# Altium PCB LimeSDR-PCIe_1v2.PcbDoc (part 5 of 9) (continued)
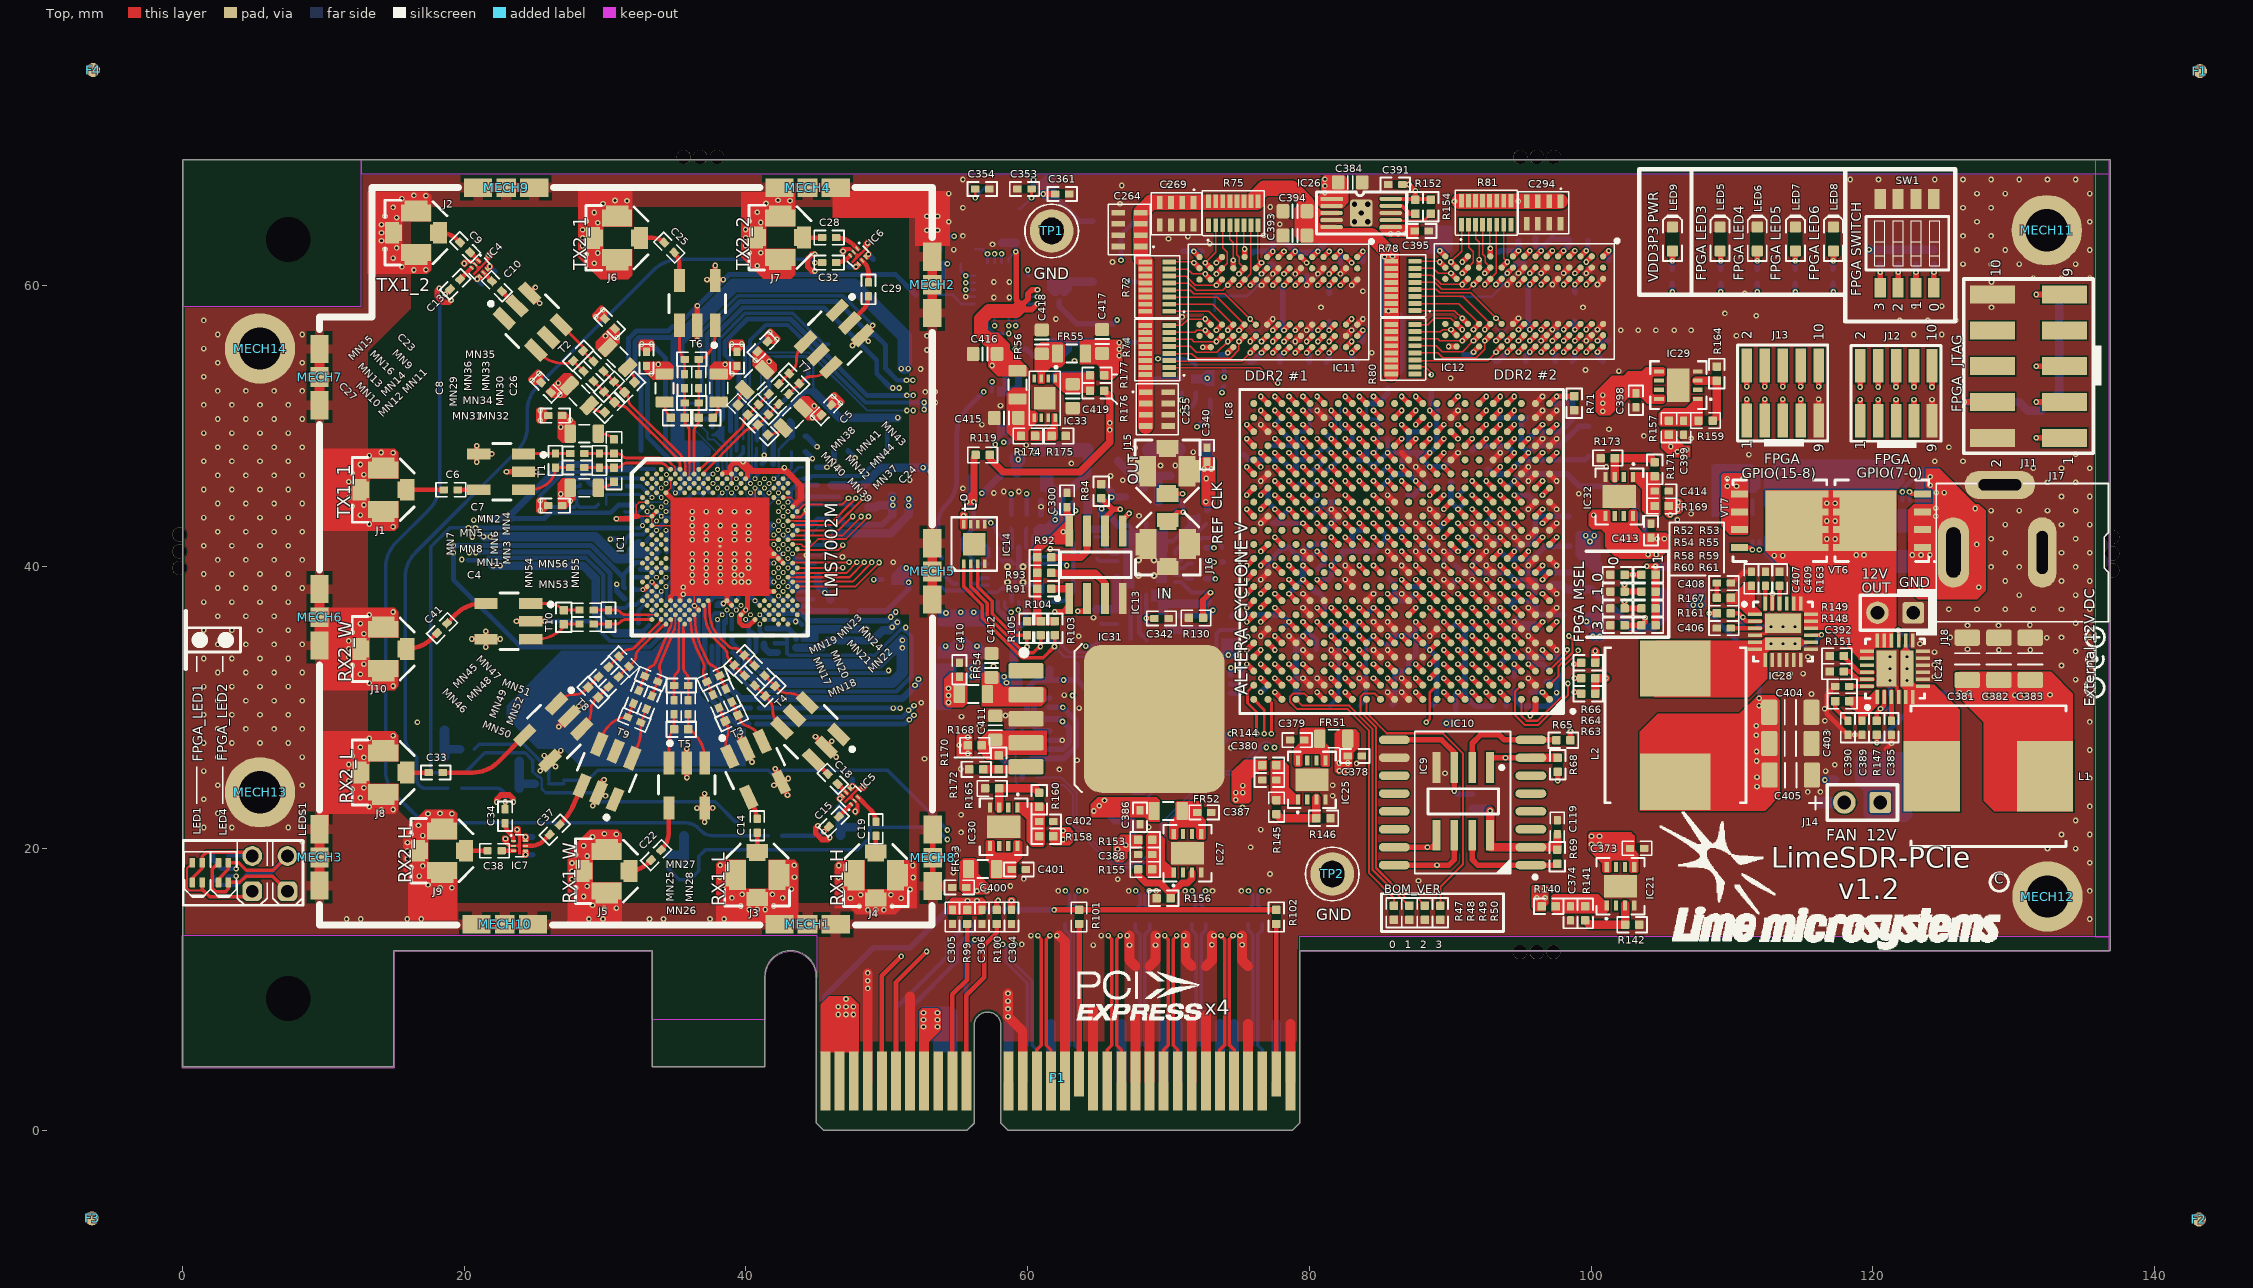
[diagram p0: Top view]
## Nets (pads, with @x,y where several pads share a name; then routed paths per layer and width w, separated by ;. In a path a pad name is that pad's centre, name@x,y a point inside that pad or via, vN(x,y) a via of type N, cw(c..) or ccw(c..) an arc to the next point about the centre after c; other vN are vias at no path point) (continued)
LMS_DIQ2_D5: IC1.K34 IC8.F6 | length 59.2
  Top w0.15: IC1.K34@43.643,43.93 44.145,44.431 46.831,44.431 v1(47.275,44.875)
  Top w0.4: v1(91.55,36.1) IC8.F6@92.05,35.6
  L8 w0.1: v1(47.275,44.875) 47.837,45.438 48.752,45.438 48.964,45.225 51.626,45.225 56.376,40.475 56.7,40.475 57.004,40.475 57.308,40.475 cw(c57.308,40.171) 57.612,40.171 57.612,40.157 ccw(c57.916,40.157) 57.916,39.853 ccw(c57.916,40.157) 58.22,40.157 58.22,40.171 cw(c58.524,40.171) 58.524,40.475 58.775,40.475 59.45,40.475 59.754,40.475 60.058,40.475 cw(c60.058,40.171) 60.362,40.171 60.362,40.016 ccw(c60.666,40.016) 60.666,39.712 ccw(c60.666,40.016) 60.97,40.016 60.97,40.171 cw(c61.274,40.171) 61.274,40.475 cw(c61.274,40.171) 61.578,40.171 61.578,40.016 ccw(c61.882,40.016) 61.882,39.712 ccw(c61.882,40.016) 62.186,40.016 62.186,40.171 cw(c62.49,40.171) 62.49,40.475 62.794,40.475 63.325,40.475 63.65,40.475 63.954,40.475 64.258,40.475 cw(c64.258,40.171) 64.562,40.171 64.562,40.016 ccw(c64.866,40.016) 64.866,39.712 ccw(c64.866,40.016) 65.17,40.016 65.17,40.171 cw(c65.474,40.171) 65.474,40.475 67.309,40.475 67.709,40.875 73.375,40.875 73.8,40.45 77.405,40.45 90.725,40.45 90.9,40.275 90.9,36.75 v1(91.55,36.1)
LMS_DIQ2_D6: IC1.M30 IC8.C6 | length 59.2
  Top w0.4: v1(91.55,33.1) IC8.C6@92.05,32.6
  L8 w0.1: v2(42.311,43.264) 46.714,43.264 47.4,43.95 48.825,43.95 49.6,43.175 51.675,43.175 57.925,36.925 58.377,36.925 58.752,37.3 59.525,37.3 59.925,37.3 60.325,37.3 cw(c60.325,36.9) 60.725,36.9 60.725,36.675 ccw(c61.125,36.675) 61.125,36.275 ccw(c61.125,36.675) 61.525,36.675 61.525,36.9 cw(c61.925,36.9) 61.925,37.3 cw(c61.925,36.9) 62.325,36.9 62.325,36.798 ccw(c62.725,36.798) 62.725,36.398 ccw(c62.725,36.798) 63.125,36.798 63.125,36.9 cw(c63.525,36.9) 63.525,37.3 63.925,37.3 65.55,37.3 65.95,36.9 68.775,36.9 69.35,36.325 74.1,36.325 74.75,36.975 74.75,37.4 75.1,37.75 84.4,37.75 88.4,33.75 89.625,33.75 89.975,33.4 90.225,33.4 90.575,33.75 90.9,33.75 v1(91.55,33.1)
LMS_DIQ2_D7: IC1.M32 IC8.D4 | length 59.1
  Top w0.11: IC1.M32@42.977,43.264 43.481,43.264
  Top w0.15: 43.481,43.264 46.189,43.264 47.425,44.5 47.43,44.5 47.65,44.72 47.65,44.725 v1(47.8,44.875)
  Top w0.4: v1(93.55,34.1) IC8.D4@94.05,33.6
  L8 w0.1: v1(47.8,44.875) 48.162,45.238 48.669,45.238 49.931,43.975 52.208,43.975 56.67,39.512 62.825,39.512 ccw(c62.825,39.816) 63.129,39.816 63.129,39.971 cw(c63.433,39.971) 63.433,40.275 cw(c63.433,39.971) 63.737,39.971 63.737,39.816 ccw(c64.041,39.816) 64.041,39.512 64.925,39.512 67.112,39.512 67.65,40.05 69.116,40.05 69.541,40.475 72.58,40.475 73.305,39.75 88.395,39.75 89.9,38.245 89.9,37.245 93.045,34.1 v1(93.55,34.1)
LMS_DIQ2_D8: IC1.N31 IC8.A5 | length 59
  Top w0.4: v1(92.55,31.1) IC8.A5@93.05,30.6
  L8 w0.1: v2(42.644,42.931) 48.244,42.931 48.5,42.675 51.517,42.675 58.342,35.85 63.695,35.85 66.5,35.85 69.725,35.85 70.5,35.075 70.8,35.075 ccw(c70.8,35.379) 71.104,35.379 71.104,35.453 cw(c71.408,35.453) 71.408,35.757 cw(c71.408,35.453) 71.712,35.453 71.712,35.379 ccw(c72.016,35.379) 72.016,35.075 ccw(c72.016,35.379) 72.32,35.379 72.32,35.453 cw(c72.624,35.453) 72.624,35.757 cw(c72.624,35.453) 72.928,35.453 72.928,35.379 ccw(c73.232,35.379) 73.232,35.075 73.975,35.075 74.342,35.075 74.775,35.508 74.775,36.3 75.225,36.75 83.395,36.75 88.495,31.65 92,31.65 v1(92.55,31.1)
LMS_DIQ2_D9: IC1.N33 IC8.D5 | length 59.2
  Top w0.15: IC1.N33@43.31,42.931 43.31,42.973 46.428,42.973 v1@48.28,44.825
  Top w0.4: v1(92.55,34.1) IC8.D5@93.05,33.6
  L8 w0.1: v1(48.305,44.875) 48.749,44.875 49.849,43.775 52.125,43.775 56.588,39.312 59.95,39.312 60.254,39.312 60.558,39.312 cw(c60.558,39.008) 60.862,39.008 60.862,38.916 ccw(c61.166,38.916) 61.166,38.612 ccw(c61.166,38.916) 61.47,38.916 61.47,39.008 cw(c61.774,39.008) 61.774,39.312 cw(c61.774,39.008) 62.078,39.008 62.078,38.916 ccw(c62.382,38.916) 62.382,38.612 ccw(c62.382,38.916) 62.686,38.916 62.686,39.008 cw(c62.99,39.008) 62.99,39.312 cw(c62.99,39.008) 63.294,39.008 63.294,38.916 ccw(c63.598,38.916) 63.598,38.612 ccw(c63.598,38.916) 63.902,38.916 63.902,39.008 cw(c64.206,39.008) 64.206,39.312 65.4,39.312 67.195,39.312 67.733,39.85 69.199,39.85 69.624,40.275 72.497,40.275 73.222,39.55 87.595,39.55 89.2,37.945 89.2,36.95 92.05,34.1 v1(92.55,34.1)
LMS_DIQ2_D10: IC1.P30 IC8.B4 | length 59
  Top w0.4: v1(93.55,32.1) IC8.B4@94.05,31.6
  L9 w0.1: v2(42.311,42.598) 42.303,42.59 41.843,42.59 41.653,42.399 41.653,41.57 41.874,41.349 41.876,41.349 42.061,41.164 42.061,41.162 42.207,41.016 42.209,41.016 42.394,40.831 42.394,40.829 42.54,40.683 42.542,40.683 42.727,40.498 42.727,40.496 42.948,40.275 45.925,40.275 46.7,39.5 53.15,39.5 ccw(c53.15,39.804) 53.454,39.804 53.454,39.888 cw(c53.758,39.888) 53.758,40.192 cw(c53.758,39.888) 54.062,39.888 54.062,39.804 ccw(c54.366,39.804) 54.366,39.5 56.225,39.5 61.825,39.5 62.4,38.925 72.767,38.925 73.142,38.55 77.525,38.55 79.575,36.5 86.645,36.5 90.695,32.45 93.2,32.45 v1(93.55,32.1)
LMS_DIQ2_D11: IC1.P32 IC8.A6 | length 58.7
  Top w0.4: v1(91.55,31.1) IC8.A6@92.05,30.6
  L8 w0.1: v2(42.977,42.598) 43.218,42.356 51.553,42.356 58.259,35.65 64.133,35.65 64.858,34.925 65.25,34.925 65.975,35.65 66.45,35.65 67.175,34.925 67.517,34.925 68.242,35.65 69.583,35.65 70.358,34.875 74.425,34.875 74.975,35.425 74.975,36.217 75.308,36.55 82.595,36.55 88.42,30.725 88.67,30.725 89.395,31.45 89.695,31.45 89.9,31.245 89.9,30.75 90.15,30.5 91.4,30.5 91.55,30.65 v1(91.55,31.1)
LMS_ENABLE_IQSEL1: IC1.Y32 IC8.D6 | length 59.4
  Top w0.4: v1(91.55,34.1) IC8.D6@92.05,33.6
  L4 w0.1: v2(42.977,40.6) 43.5,40.6 44.175,41.275 45.325,41.275 45.925,41.875 47.345,41.875 47.52,41.7 68.975,41.7 68.998,41.7 69.36,41.7 cw(c69.36,41.454) 69.606,41.454 ccw(c69.91,41.454) 69.91,41.15 ccw(c69.91,41.454) 70.214,41.454 cw(c70.46,41.454) 70.46,41.7 70.576,41.7 cw(c70.576,41.454) 70.822,41.454 ccw(c71.126,41.454) 71.126,41.15 ccw(c71.126,41.454) 71.43,41.454 cw(c71.676,41.454) 71.676,41.7 71.792,41.7 cw(c71.792,41.454) 72.038,41.454 ccw(c72.342,41.454) 72.342,41.15 ccw(c72.342,41.454) 72.646,41.454 cw(c72.892,41.454) 72.892,41.7 72.95,41.7 73.35,41.7 73.668,41.7 cw(c73.668,41.396) 73.972,41.396 73.972,41.132 ccw(c74.276,41.132) 74.276,40.828 ccw(c74.276,41.132) 74.58,41.132 74.58,41.396 cw(c74.884,41.396) 74.884,41.7 74.942,41.7 cw(c74.942,41.454) 75.188,41.454 ccw(c75.492,41.454) 75.492,41.15 ccw(c75.492,41.454) 75.796,41.454 cw(c76.042,41.454) 76.042,41.7 76.1,41.7 76.586,41.7 77.111,41.175 78.867,41.175 79.242,41.55 80.736,41.55 80.936,41.35 84.522,41.35 85.322,40.55 87.595,40.55 89.645,38.5 90.645,38.5 90.9,38.245 90.9,36.25 91.9,35.25 91.9,34.45 v1(91.55,34.1)
LMS_ENABLE_IQSEL2: IC1.R33 IC8.B6 | length 58.8
  Top w0.15: IC1.R33@43.31,42.265 43.352,42.223 45.375,42.223 46.848,42.223 v1@48.175,43.55
  Top w0.4: v1(91.55,32.1) IC8.B6@92.05,31.6
  L8 w0.1: v1(48.175,43.575) 48.775,42.975 51.5,42.975 58.417,36.058 58.733,36.058 59.175,36.5 60.025,36.5 60.467,36.058 63.825,36.058 ccw(c63.825,36.458) 64.225,36.458 64.225,36.7 cw(c64.625,36.7) 64.625,37.1 cw(c64.625,36.7) 65.025,36.7 65.025,36.458 ccw(c65.425,36.458) 65.425,36.058 65.583,36.058 ccw(c65.583,36.3) 65.825,36.3 cw(c66.225,36.3) 66.225,36.7 cw(c66.225,36.3) 66.625,36.3 ccw(c66.867,36.3) 66.867,36.058 67.425,36.058 67.583,36.058 68.225,36.7 68.575,36.7 69.2,36.075 74.267,36.075 75.025,36.833 75.025,37.25 75.325,37.55 83.6,37.55 88.7,32.45 91.2,32.45 v1(91.55,32.1)
LMS_FCLK1: IC1.AA33 IC8.H9 | length 59.3
  Top w0.15: IC1.AA33@43.31,40.284 IC1.AA33@43.31,40.267 43.368,40.325 v1(47.325,40.325)
  Top w0.4: v1(88.55,38.1) IC8.H9@89.05,37.6
  L4 w0.1: v1(47.325,40.325) 47.325,40.85 47.7,41.225 48.5,41.225 49,40.725 49.525,40.725 50.025,41.225 51.191,41.225 52.491,39.925 52.7,39.925 52.875,40.1 52.875,40.875 53.034,41.034 53.334,41.034 53.617,40.75 57.242,40.75 57.58,40.412 60.312,40.412 60.55,40.65 65.2,40.65 65.975,39.875 66.45,39.875 66.65,40.075 66.65,40.725 66.875,40.95 67.25,40.95 67.5,40.7 67.5,40.025 67.65,39.875 68.125,39.875 68.35,40.1 68.35,41.1 68.55,41.3 68.999,41.3 69.55,40.749 69.55,40.075 69.7,39.925 69.924,39.925 70.099,40.1 70.099,40.549 70.275,40.725 70.575,40.725 70.775,40.525 70.775,40.25 70.925,40.1 71.225,40.1 71.375,40.25 71.375,40.45 71.6,40.675 71.875,40.675 72.325,40.225 72.575,40.225 73.084,40.734 73.311,40.734 73.945,40.1 74.692,40.1 75.342,40.75 80.678,40.75 81.2,40.228 81.2,39.955 81.405,39.75 85.108,39.75 86.408,38.45 86.75,38.45 86.925,38.625 86.925,39.5 87.075,39.65 87.6,39.65 87.8,39.45 87.8,37.9 87.975,37.725 88.175,37.725 v1(88.55,38.1)
LMS_FCLK2: IC1.R29 IC8.C5 | length 58.5
  Top w0.4: v1(92.55,33.1) IC8.C5@93.05,32.6
  L9 w0.1: v2(41.978,42.265) 42.303,41.94 44.062,41.94 44.279,42.156 44.428,42.156 44.784,41.8 47.1,41.8 47.625,41.275 52.373,41.275 53.254,42.156 53.558,42.156 cw(c53.558,41.852) 53.862,41.852 53.862,41.579 ccw(c54.166,41.579) 54.166,41.275 ccw(c54.166,41.579) 54.47,41.579 54.47,41.852 cw(c54.774,41.852) 54.774,42.156 cw(c54.774,41.852) 55.078,41.852 55.078,41.579 ccw(c55.382,41.579) 55.382,41.275 ccw(c55.382,41.579) 55.686,41.579 55.686,41.892 cw(c55.95,41.892) 55.95,42.156 61.214,42.156 63.395,39.975 73.125,39.975 73.35,39.75 79.395,39.75 81.47,37.675 87.47,37.675 92.045,33.1 v1(92.55,33.1)
LMS_I2C_SCL: IC1.C27 IC2.6 IC3.6 R12.2 R51.1 | length 47
  L8 w0.1: v2(41.312,46.261) 41.296,46.261 40.971,46.586 40.511,46.586 39.988,46.062 39.988,45.396 39.988,45.127 40.779,44.336 40.779,38.088 41.917,36.95 49.833,36.95 50.308,37.425 55.095,37.425 55.6,36.92 55.6,35.9 v1(62.475,29.025)
  Bottom w0.4: R12.2@59.625,28.3 R51.1@59.625,27.225 59.7,27.15 60.125,27.15 60.225,27.05 IC2.6@61.55,27.05 62.507,27.05 62.95,27.493 62.95,28.55 v1(62.475,29.025) 62.3,29.2 60.95,29.2 60.45,29.7 60.45,30.4 60.725,30.675 IC3.6@61.55,30.675
LMS_I2C_SDA: IC1.D26 IC2.5 IC3.5 R13.2 R46.1 | length 43.1
  L8 w0.1: v2(40.979,45.928) 40.979,38.171 42,37.15 49.75,37.15 50.225,37.625 55.178,37.625 55.8,37.003 55.8,35.983 61.758,30.025 v1(62.5,30.025)
  L9 w0.1: v2(40.979,45.928) v2@40.987,45.936
  Bottom w0.4: R46.1@59.625,25.05 R13.2@59.625,26.15 59.7,26.225 60.125,26.225 60.3,26.4 IC2.5@61.55,26.4 62.564,26.4 63.45,27.286 63.45,29.075 v1(62.5,30.025) IC3.5@61.55,30.025
LMS_MCLK1: IC1.AB34 IC8.K10 | length 59.3
  Top w0.15: IC1.AB34@43.643,39.934 46.875,39.934 v1@46.959,39.934
  Top w0.4: v1(87.55,40.1) IC8.K10@88.05,39.6
  L4 w0.1: v1(46.875,39.95) 46.55,39.95 46.4,40.1 46.4,40.85 46.65,41.1 47.203,41.1 47.603,41.5 48.508,41.5 49.083,40.925 49.442,40.925 50.017,41.5 51.199,41.5 52.174,40.525 52.525,40.525 52.675,40.675 52.675,41.383 52.792,41.5 53.15,41.5 53.7,40.95 57.325,40.95 57.663,40.612 57.725,40.612 ccw(c57.725,40.916) 58.029,40.916 58.029,41.196 cw(c58.333,41.196) 58.333,41.5 cw(c58.333,41.196) 58.637,41.196 58.637,40.916 ccw(c58.941,40.916) 58.941,40.612 ccw(c58.941,40.916) 59.245,40.916 59.245,41.196 cw(c59.549,41.196) 59.549,41.5 cw(c59.549,41.196) 59.853,41.196 59.853,40.916 ccw(c60.157,40.916) 60.157,40.612 60.23,40.612 60.467,40.85 61.675,40.85 ccw(c61.675,41.154) 61.979,41.154 61.979,41.196 cw(c62.283,41.196) 62.283,41.5 cw(c62.283,41.196) 62.587,41.196 62.587,41.154 ccw(c62.891,41.154) 62.891,40.85 ccw(c62.891,41.154) 63.195,41.154 63.195,41.196 cw(c63.499,41.196) 63.499,41.5 cw(c63.499,41.196) 63.803,41.196 63.803,41.154 ccw(c64.107,41.154) 64.107,40.85 ccw(c64.107,41.154) 64.411,41.154 64.411,41.196 cw(c64.715,41.196) 64.715,41.5 cw(c64.715,41.196) 65.019,41.196 65.019,41.154 ccw(c65.323,41.154) 65.323,40.85 65.475,40.85 66.025,40.3 66.275,40.3 66.45,40.475 66.45,41.275 66.675,41.5 69.081,41.5 69.631,40.95 73.378,40.95 74.028,40.3 74.609,40.3 75.259,40.95 76.046,40.95 76.446,41.35 76.654,41.35 77.029,40.975 78.95,40.975 79.325,41.35 80.654,41.35 80.8,41.204 80.8,40.925 81.275,40.45 81.625,40.45 81.725,40.45 ccw(c81.725,40.75) 82.025,40.75 cw(c82.425,40.75) 82.425,41.15 cw(c82.425,40.75) 82.825,40.75 ccw(c83.125,40.75) 83.125,40.45 83.325,40.45 ccw(c83.325,40.75) 83.625,40.75 cw(c84.025,40.75) 84.025,41.15 cw(c84.025,40.75) 84.425,40.75 ccw(c84.725,40.75) 84.725,40.45 85.1,40.45 85.35,40.2 85.35,39.8 85.775,39.375 86.375,39.375 87.1,40.1 v1(87.55,40.1)
LMS_MCLK2: IC1.P34 IC8.M8 | length 60.2
  Top w0.15: IC1.P34@43.643,42.598 46.573,42.598 47.562,43.588 v1@47.575,43.6
  Top w0.4: IC8.M8@90.05,41.6 v1(90.55,41.1)
  L4 w0.1: v1(47.575,43.575) 47.925,43.925 48.875,43.925 49.2,43.6 49.2,42.65 49.725,42.125 51.975,42.125 ccw(c51.975,42.429) 52.279,42.429 52.279,42.621 cw(c52.583,42.621) 52.583,42.925 cw(c52.583,42.621) 52.887,42.621 52.887,42.429 ccw(c53.191,42.429) 53.191,42.125 ccw(c53.191,42.429) 53.495,42.429 53.495,42.621 cw(c53.799,42.621) 53.799,42.925 cw(c53.799,42.621) 54.103,42.621 54.103,42.429 ccw(c54.407,42.429) 54.407,42.125 ccw(c54.407,42.429) 54.711,42.429 54.711,42.621 cw(c55.015,42.621) 55.015,42.925 cw(c55.015,42.621) 55.319,42.621 55.319,42.429 ccw(c55.623,42.429) 55.623,42.125 ccw(c55.623,42.429) 55.927,42.429 55.927,42.621 cw(c56.231,42.621) 56.231,42.925 cw(c56.231,42.621) 56.535,42.621 56.535,42.429 ccw(c56.839,42.429) 56.839,42.125 57.143,42.125 57.751,42.125 57.95,42.125 58.05,42.125 71.3,42.125 71.85,42.675 72.525,42.675 ccw(c72.525,42.979) 72.829,42.979 72.829,43.171 cw(c73.133,43.171) 73.133,43.475 cw(c73.133,43.171) 73.437,43.171 73.437,42.675 73.437,42.404 ccw(c73.741,42.404) 73.741,42.1 ccw(c73.741,42.404) 74.045,42.404 74.045,42.675 74.045,43.171 cw(c74.349,43.171) 74.349,43.475 cw(c74.349,43.171) 74.653,43.171 74.653,42.675 74.653,42.404 ccw(c74.957,42.404) 74.957,42.1 ccw(c74.957,42.404) 75.261,42.404 75.261,42.675 75.261,43.171 cw(c75.565,43.171) 75.565,43.475 cw(c75.565,43.171) 75.869,43.171 75.869,42.979 ccw(c76.173,42.979) 76.173,42.675 76.375,42.675 79.025,42.675 79.725,41.975 80.877,41.975 81.102,41.75 85.122,41.75 85.322,41.55 90.1,41.55 v1(90.55,41.1)
LMS_RESET: IC1.E27 IC8.A1 R2.1 | length 66.8
  Top w0.4: v1(96.55,31.1) IC8.A1@97.05,30.6
  L8 w0.1: v2(41.312,45.595) 46.934,45.595 47.377,46.038 49,46.038 49.213,45.825 51.875,45.825 56.075,41.625 61.792,41.625 62.167,41.25 67.15,41.25 67.8,41.9 76.386,41.9 76.636,41.65 90.636,41.65 92.2,40.086 92.2,36.955 95.355,33.8 95.975,33.8 96.4,33.375 96.4,31.25 v1(96.55,31.1)
  Bottom w0.4: R2.1@95.725,31.1 v1(96.55,31.1)
LMS_RXEN: IC1.V34 IC8.C2 R4.2 | length 60.3
  Top w0.15: IC1.V34@43.643,41.266 43.643,41.201 46.551,41.201 v1@46.875,41.525
  Top w0.4: v1(95.55,33.1) IC8.C2@96.05,32.6
  L8 w0.1: v1@46.875,41.525 46.925,41.475 51.869,41.475 58.619,34.725 59.078,34.725 64.27,34.725 64.545,34.45 82.695,34.45 86.845,30.3 93.245,30.3 94.9,31.955 94.9,32.45 v1(95.55,33.1)
  Bottom w0.4: v1(95.55,33.1) 96.55,33.1 R4.2@96.825,32.825
  other v1: 46.875,41.55
LMS_TXEN: IC1.U29 IC8.A7 R3.2 | length 59.3
  Top w0.4: v1(90.55,31.1) IC8.A7@91.05,30.6
  L4 w0.1: v2(41.978,41.599) 41.4,41.021 41.4,37.821 42.496,36.725 48.597,36.725 50.172,35.15 57.45,35.15 60.016,32.584 72.516,32.584 74.158,34.225 74.93,34.225 75.38,33.775 76.05,33.775 76.375,33.45 76.75,33.45 77.45,32.75 84.4,32.75 85.4,31.75 89.395,31.75 90.045,31.1 v1(90.55,31.1)
  Bottom w0.4: R3.2@90.4,29.9 90.4,30.95 v1(90.55,31.1)
LMS_TXNRX1: IC1.V32 IC8.C3 R1.1 | length 58.5
  Top w0.4: v1(94.55,33.1) IC8.C3@95.05,32.6
  L4 w0.1: v2(42.977,41.266) 43.186,41.475 44.875,41.475 45.5,42.1 47.775,42.1 47.975,41.9 76.669,41.9 77.044,41.525 78.934,41.525 79.159,41.75 80.819,41.75 81.019,41.55 84.605,41.55 85.405,40.75 88.4,40.75 90.45,38.7 90.728,38.7 91.1,38.328 91.1,36.925 94.55,33.475 v1(94.55,33.1)
  Bottom w0.4: v1(94.55,33.1) 94.55,32.25 R1.1@94.575,32.225
LMS_TXNRX2: IC1.U31 IC8.A4 R10.2 | length 58.3
  Top w0.4: v1(93.55,31.1) IC8.A4@94.05,30.6
  L9 w0.1: v2(42.644,41.599) 44.137,41.599 44.279,41.456 46.144,41.456 46.525,41.075 61.05,41.075 62.35,39.775 72.2,39.775 73.225,38.75 78.95,38.75 79.25,38.45 79.725,38.45 81.425,36.75 86.8,36.75 87.125,36.425 87.72,36.425 91.395,32.75 93.395,32.75 93.9,32.245 93.9,31.45 v1(93.55,31.1)
  Bottom w0.4: v1(93.55,31.1) 93.975,30.675 R10.2@93.975,30.1
MSEL0: IC8.T6 R52.1 R53.2 | length 16.9
  Top w0.4: v1(91.55,46.1) IC8.T6@92.05,45.6 ; R52.1@102.375,39.45 v1(102.975,39.45) R53.2@103.575,39.45
  L4 w0.1: v1(91.55,46.1) 92.05,46.6 96.545,46.6 102.975,40.17 v1(102.975,39.45)
MSEL1: IC8.P5 R54.1 R55.2 | length 15.1
  Top w0.4: v1(92.55,44.1) IC8.P5@93.05,43.6 ; v1(102.375,38.75) R54.1@102.375,38.25 R55.2@103.575,38.25
  L4 w0.1: v1(92.55,44.1) 92.9,44.45 95.554,44.45 97.8,42.204 97.8,41.628 100.678,38.75 v1(102.375,38.75)
MSEL2: IC8.R5 R58.1 R59.2 | length 16.9
  Top w0.4: v1(92.55,45.1) IC8.R5@93.05,44.6 ; v1(102.375,37.55) R58.1@102.375,37.05 R59.2@103.575,37.05
  L4 w0.1: v1(92.55,45.1) 92.9,45.45 95.705,45.45 102.055,39.1 102.52,39.1 102.725,38.895 102.725,38.525 102.375,38.175 v1(102.375,37.55)
MSEL3: IC8.P4 R60.1 R61.2 | length 16
  Top w0.4: v1(93.55,44.1) IC8.P4@94.05,43.6 ; R60.1@102.375,35.85 R61.2@103.575,35.85 103.825,36.1 v1(103.825,36.4)
  L4 w0.1: v1(93.55,44.1) 94.125,44.1 94.475,43.75 95.395,43.75 102.745,36.4 v1(103.825,36.4)
NetC1_1: C1.1 IC1.C29 R6.1 | length 4.6
  Bottom w0.2: v2(41.978,46.261) 42.094,46.376 42.182,46.376 42.324,46.518 42.324,48.331 43.124,49.131 R6.1@43.124,49.206
  Bottom w0.5: C1.1@43.125,50.324 43.225,50.224 R6.1@43.225,49.275
NetC6_1: C6.1 J1.1 | length 2.7
  Top w0.325: J1.1@15.85,45.475 J1.1@15.95,45.475 C6.1@18.55,45.475
NetC6_2: C6.2 T1.4 | length 1.3
  Top w0.325: C6.2@19.55,45.475 T1.4@20.882,45.475
NetC9_1: C9.1 J2.1 | length 1.6
  Top w0.325: J2.1@18.275,63.725 cw(c18.275,61.926) 19.547,63.198 C9.1@19.705,63.04
NetC9_2: C9.2 IC4.1 | length 0.9
  Top w0.325: C9.2@20.412,62.333 IC4.1@21.075,61.67
NetC10_1: C10.1 IC4.5 | length 0.9
  Top w0.325: IC4.5@21.305,60.945 C10.1@21.968,60.282
NetC10_2: C10.2 T2.2 | length 1.9
  Top w0.325: C10.2@22.675,59.575 23.714,58.536 T2.2@23.735,58.536 T2.2@23.424,58.846
NetC13_1: C13.1 IC4.3 | length 1.1
  Top w0.325: C13.1@19.705,60.424 IC4.3@20.518,61.237
NetC13_2: C13.2 R14.1 RA1.1 RA2.2 VT2.2 | length 65.2
  Top w0.325: v1(18.641,59.359) C13.2@18.998,59.717
  Bottom w0.254: v1(18.641,59.359) ccw(c19.584,58.416) 18.25,58.416 18.25,45.877 cw(c15.71,45.877) 17.506,44.081 15.169,41.744 ccw(c16.965,39.948) 14.425,39.948 14.425,25.455 ccw(c16.73,25.455) 15.1,23.825 16.356,22.569 ccw(c18.152,24.365) 18.152,21.825 35.725,21.825 cw(c35.725,20.558) 36.621,21.454 36.843,21.232 ccw(c37.584,21.973) 37.584,20.925 RA1.1@41.574,20.925
NetC14_1: C14.1 J3.1 | length 1.6
  Top w0.325: J3.1@40.8,19.625 C14.1@40.8,21.125 ; J3.1@40.8,19.725 J3.1@40.8,19.825
NetC14_2: C14.2 T3.6 | length 1.7
  Top w0.325: T3.6@40.194,23.658 40.675,22.7 C14.2@40.8,22.125
NetC15_1: C15.1 RA1.2 RA3.2 VT1.2 | length 3.5
  Top w0.325: v1(45.529,21.21) C15.1@45.886,21.568
  Bottom w0.325: RA1.2@42.574,20.925 RA3.2@43.674,20.925 44.84,20.925 ccw(c44.84,21.899) v1(45.529,21.21)
NetC15_2: C15.2 IC5.1 | length 1.2
  Top w0.325: C15.2@46.593,22.275 IC5.1@47.464,23.145
NetC18_1: C18.1 IC5.5 | length 0.9
  Top w0.325: C18.1@46.509,24.595 IC5.5@47.172,23.932
NetC18_2: C18.2 T4.3 | length 1.5
  Top w0.325: T4.3@44.773,26.331 T4.3@44.798,26.306 ; T4.3@44.822,26.281 T4.3@44.798,26.306 ; C18.2@45.802,25.302 T4.3@44.798,26.306
NetC19_1: C19.1 J4.1 | length 1.2
  Top w0.325: J4.1@49.216,19.7 J4.1@49.216,19.8 C19.1@49.216,20.9
NetC19_2: C19.2 IC5.3 | length 2.3
  Top w0.325: IC5.3@47.897,23.702 IC5.3@47.959,23.64 48.875,22.723 cw(c48.052,21.9) C19.2@49.216,21.9
NetC22_1: C22.1 J5.1 | length 1.9
  Top w0.325: J5.1@31.6,18.4 ccw(c31.6,20.512) 33.094,19.019 C22.1@33.263,19.188
NetC22_2: C22.2 T5.6 | length 3.5
  Top w0.325: C22.2@33.97,19.895 ccw(c32.62,21.245) 34.529,21.245 T5.6@34.529,22.893 T5.6@34.529,22.516
NetC25_1: C25.1 J6.1 | length 1.8
  Top w0.325: J6.1@32.45,63.36 33.396,63.36 cw(c33.396,62.228) C25.1@34.196,63.029
NetC25_2: C25.2 T6.4 | length 2.1
  Top w0.325: C25.2@34.904,62.321 cw(c34.008,61.426) 35.274,61.426 T6.4@35.274,60.331
NetC28_1: C28.1 J7.1 | length 1.4
  Top w0.325: J7.1@44.025,63.375 J7.1@44.125,63.375 C28.1@45.4,63.375
NetC28_2: C28.2 IC6.1 | length 1.8
  Top w0.325: C28.2@46.4,63.375 cw(c46.4,61.637) 47.629,62.866 ; 47.635,62.86 47.629,62.866 ; IC6.1@47.956,62.539 47.629,62.866
NetC29_1: C29.1 IC6.5 | length 1.8
  Top w0.325: IC6.5@48.186,61.814 IC6.5@48.247,61.753 48.4,61.6 ; 48.401,61.599 cw(c47.676,60.876) 48.7,60.876 C29.1@48.7,60.2
NetC29_2: C29.2 T7.2 | length 2.4
  Top w0.325: T7.2@47.38,57.324 48.307,58.25 ccw(c47.357,59.2) 48.31,58.254 ccw(c47.357,59.2) C29.2@48.7,59.2
NetC32_1: C32.1 IC6.3 | length 1.2
  Top w0.325: C32.1@46.4,61.6 ccw(c46.4,62.79) 47.241,61.949 IC6.3@47.399,62.106
NetC32_2: C32.2 R17.1 RA4.1 RA5.2 VT4.2 | length 58.2
  Top w0.325: v1(44.894,61.6) C32.2@45.4,61.6
  Bottom w0.254: RA4.1@18.825,24.275 17.275,24.275 cw(c17.275,24.925) 16.625,24.925 VT4.2@16.625,26.475 16.295,26.805 cw(c17.49,28) 15.8,28 15.8,39.223 cw(c18.34,39.223) 16.544,41.019 23.731,48.206 ccw(c21.935,50.002) 24.475,50.002 24.475,51.048 cw(c27.015,51.048) 25.219,52.844 33.459,61.084 cw(c35.255,59.288) 35.255,61.828 44.344,61.828 cw(c44.344,61.05) v1(44.894,61.6)
NetC33_1: C33.1 J8.1 | length 1.6
  Top w0.325: J8.1@15.85,25.4 C33.1@17.475,25.4
NetC33_2: C33.2 T8.6 | length 6.8
  Top w0.325: C33.2@18.475,25.4 20.6,25.4 ccw(c20.6,27.94) 22.396,26.144 T8.6@24.3,28.048
NetC34_1: C34.1 RA4.2 RA6.2 VT3.2 | length 4.3
  Top w0.325: C34.1@22.9,22.8 v1(22.9,23.306)
  Bottom w0.254: RA4.2@19.825,24.275 RA6.2@20.925,24.275 VT3.2@21.925,24.275 22.325,24.275 cw(c22.325,23.7) 22.9,23.7 v1(22.9,23.306)
NetC34_2: C34.2 IC7.1 | length 1.4
  Top w0.325: C34.2@22.9,21.8 ccw(c23.866,21.8) 23.183,21.117 23.323,20.977 cw(c22.896,20.55) IC7.1@23.5,20.55
NetC37_1: C37.1 IC7.5 | length 2.1
  Top w0.325: IC7.5@24.262,20.2 IC7.5@24.35,20.2 24.731,20.2 ccw(c24.731,21.513) 25.659,20.584 C37.1@26.068,20.993
NetC37_2: C37.2 T9.3 | length 3.2
  Top w0.325: C37.2@26.775,21.7 27.375,22.4 27.675,22.9 T9.3@28.356,24.462
NetC38_1: C38.1 J9.1 | length 1.6
  Top w0.325: J9.1@20.025,19.85 C38.1@21.65,19.85
NetC38_2: C38.2 IC7.3 | length 0.9
  Top w0.325: C38.2@22.65,19.85 IC7.3@23.587,19.85
NetC41_1: C41.1 J10.1 | length 2.6
  Top w0.325: J10.1@15.85,34.175 15.893,34.175 ccw(c15.893,36.715) J10.1@15.95,34.175 ccw(c15.893,36.715) 17.689,34.919 C41.1@18.069,35.299
NetC41_2: C41.2 T10.6 | length 3.2
  Top w0.325: C41.2@18.776,36.006 19.433,36.663 cw(c21.229,34.867) 21.229,37.407 T10.6@21.541,37.407
NetC42_1: C42.1 C43.1 IC1.AH30 R27.2 | length 2.6
  Bottom w0.3: v2(42.311,37.936) 42.54,37.706 R27.2@44.774,37.706
NetC44_1: C44.1 C45.1 IC1.T32 R23.2 | length 4.7
  Top w0.11: IC1.T32@42.98,41.929 44.302,41.929 v1(44.424,41.806)
  Bottom w0.11: C44.1@45.574,41.651 R23.2@45.574,42.256
  Bottom w0.25: C45.1@44.194,42.356 44.194,42.036 44.674,41.556 45.479,41.556 C44.1@45.544,41.621 ; C44.1@45.544,41.531 C44.1@45.544,41.621 ; R23.2@45.574,42.256 45.544,42.226 C44.1@45.544,41.621
NetC46_1: C46.1 C47.1 IC1.AE29 R24.1 | length 8.7
  Bottom w0.3: C47.1@40.699,39.176 41.736,39.176 v2(41.978,38.935)
  Bottom w0.4: 41.124,39.106 41.124,38.406 42.319,37.211 44.319,37.211 44.63,36.9 R24.1@47.1,36.9
NetC48_1: C48.1 C49.1 IC1.R31 R20.1 | length 4.1
  Bottom w0.35: v2(42.644,42.265) 42.777,42.131
  Bottom w0.37: 42.777,42.131 42.792,42.116 43.209,42.116 43.524,42.431 C49.1@43.524,42.984 44.701,42.984 45.124,43.406 R20.1@45.824,43.406
NetC50_1: C50.1 C51.1 IC1.W31 R28.2 | length 2.6
  Bottom w0.2: C50.1@40.679,41.481 41.299,41.481 R28.2@41.374,41.556
  Bottom w0.25: R28.2@41.374,41.556 41.374,41.531 41.694,41.211 41.8,41.211 42.276,40.735 C51.1@42.276,40.629
  Bottom w0.3: C51.1@42.276,40.629 42.579,40.933 v2(42.644,40.933)
NetC52_1: C52.1 C53.1 IC1.H32 R25.2 | length 3.3
  Bottom w0.35: C52.1@43.425,44.636 43.018,44.636 43.169,44.788 43.169,45.435 43.54,45.806 R25.2@45.074,45.806
  other v2: 42.977,44.596
NetC54_1: C54.1 C55.1 IC1.W33 R21.2 | length 2
  Bottom w0.3: v2(43.31,40.933) 43.449,40.794 C55.1@43.449,40.536 43.899,40.536 C54.1@44.174,40.261 ; C54.1@44.224,40.261 C54.1@44.229,40.256 R21.2@44.899,40.256
NetC56_1: C56.1 C57.1 IC1.AA29 R26.1 | length 12.7
  L8 w0.35: v2(41.978,40.267) 41.978,40.237 41.528,39.787 41.528,38.082 42.125,37.486 46.661,37.486 48.275,39.1 v1(49.075,39.1)
  Bottom w0.3: C57.1@40.699,40.276 40.709,40.267 v2(41.978,40.267)
  Bottom w0.35: v1(49.075,39.1) R26.1@49.65,39.1
NetC58_1: C58.1 C59.1 IC1.L33 R22.1 | length 5
  Top w0.2: IC1.L33@43.31,43.597 43.31,43.555 43.88,43.555 44.275,43.95 v1(44.275,44.025)
  Bottom w0.3: v1(44.275,44.025) 44.449,44.199 C59.1@44.449,44.426 45.224,44.426 45.949,44.426 45.95,44.425 47.461,44.425 47.463,44.426 47.499,44.426 R22.1@47.675,44.25
NetC60_1: C60.1 FR2.2 IC1.C25 | length 1.4
  Bottom w0.25: v2(40.646,46.261) 40.646,46.348 41.024,46.726 FR2.2@41.824,46.726
NetC61_1: C61.1 IC1.D24 R29.1 | length 2.7
  Bottom w0.22: v2(40.313,45.928) 40.261,45.98 40.261,46.518 40.694,46.951 C61.1@40.694,47.931 ; C61.1@40.744,47.931 R29.1@40.744,48.446
NetC62_1: C62.1 FR1.1 IC1.F8 R30.1 | length 3.4
  Bottom w0.25: R30.1@34.799,45.751 34.799,45.448 v2(34.985,45.262)
  Bottom w0.3: FR1.1@34.424,46.976 C62.1@35.175,46.976
  Bottom w0.35: v2(34.985,45.262) 35.204,45.262 35.449,45.506 35.449,46.701 C62.1@35.2,46.951
NetC63_1: C63.1 FR4.2 IC1.F24 | length 1.6
  Bottom w0.3: v2(40.313,45.262) 40.378,45.262 40.833,44.806 C63.1@40.919,44.806 FR4.2@40.919,44.031
NetC64_1: C64.1 FR7.1 IC1.E21 | length 53.4
  L4 w0.7: v1(51.85,53.25) 51.75,53.35 50.156,53.35 49.775,52.969 49.775,52.431 49.803,52.403 49.775,52.375 50.9,51.25 v1@51.931,51.25
  Bottom w0.15: v2(39.314,45.595) 39.753,46.034 39.753,46.71 40.199,47.156 40.199,50.817 41.055,51.673 41.055,54.853 41.428,55.225 44.475,55.225 48.6,51.1 v1(51.425,51.1) v1(51.875,51.1) v1@51.975,51.1
  Bottom w0.35: C64.1@36.781,51.071 37.465,51.071 FR7.1@37.486,51.05 37.486,53.606 37.244,53.848 37.244,56.514 39.58,58.85 46.475,58.85 48.831,56.494 49.156,56.494 49.912,55.738 49.912,54.088 50.75,53.25 v1(51.4,53.25) v1(51.85,53.25)